# Altium PCB EDA-03518-V3-0_pcb.pcbdoc (part 12 of 14) (continued)
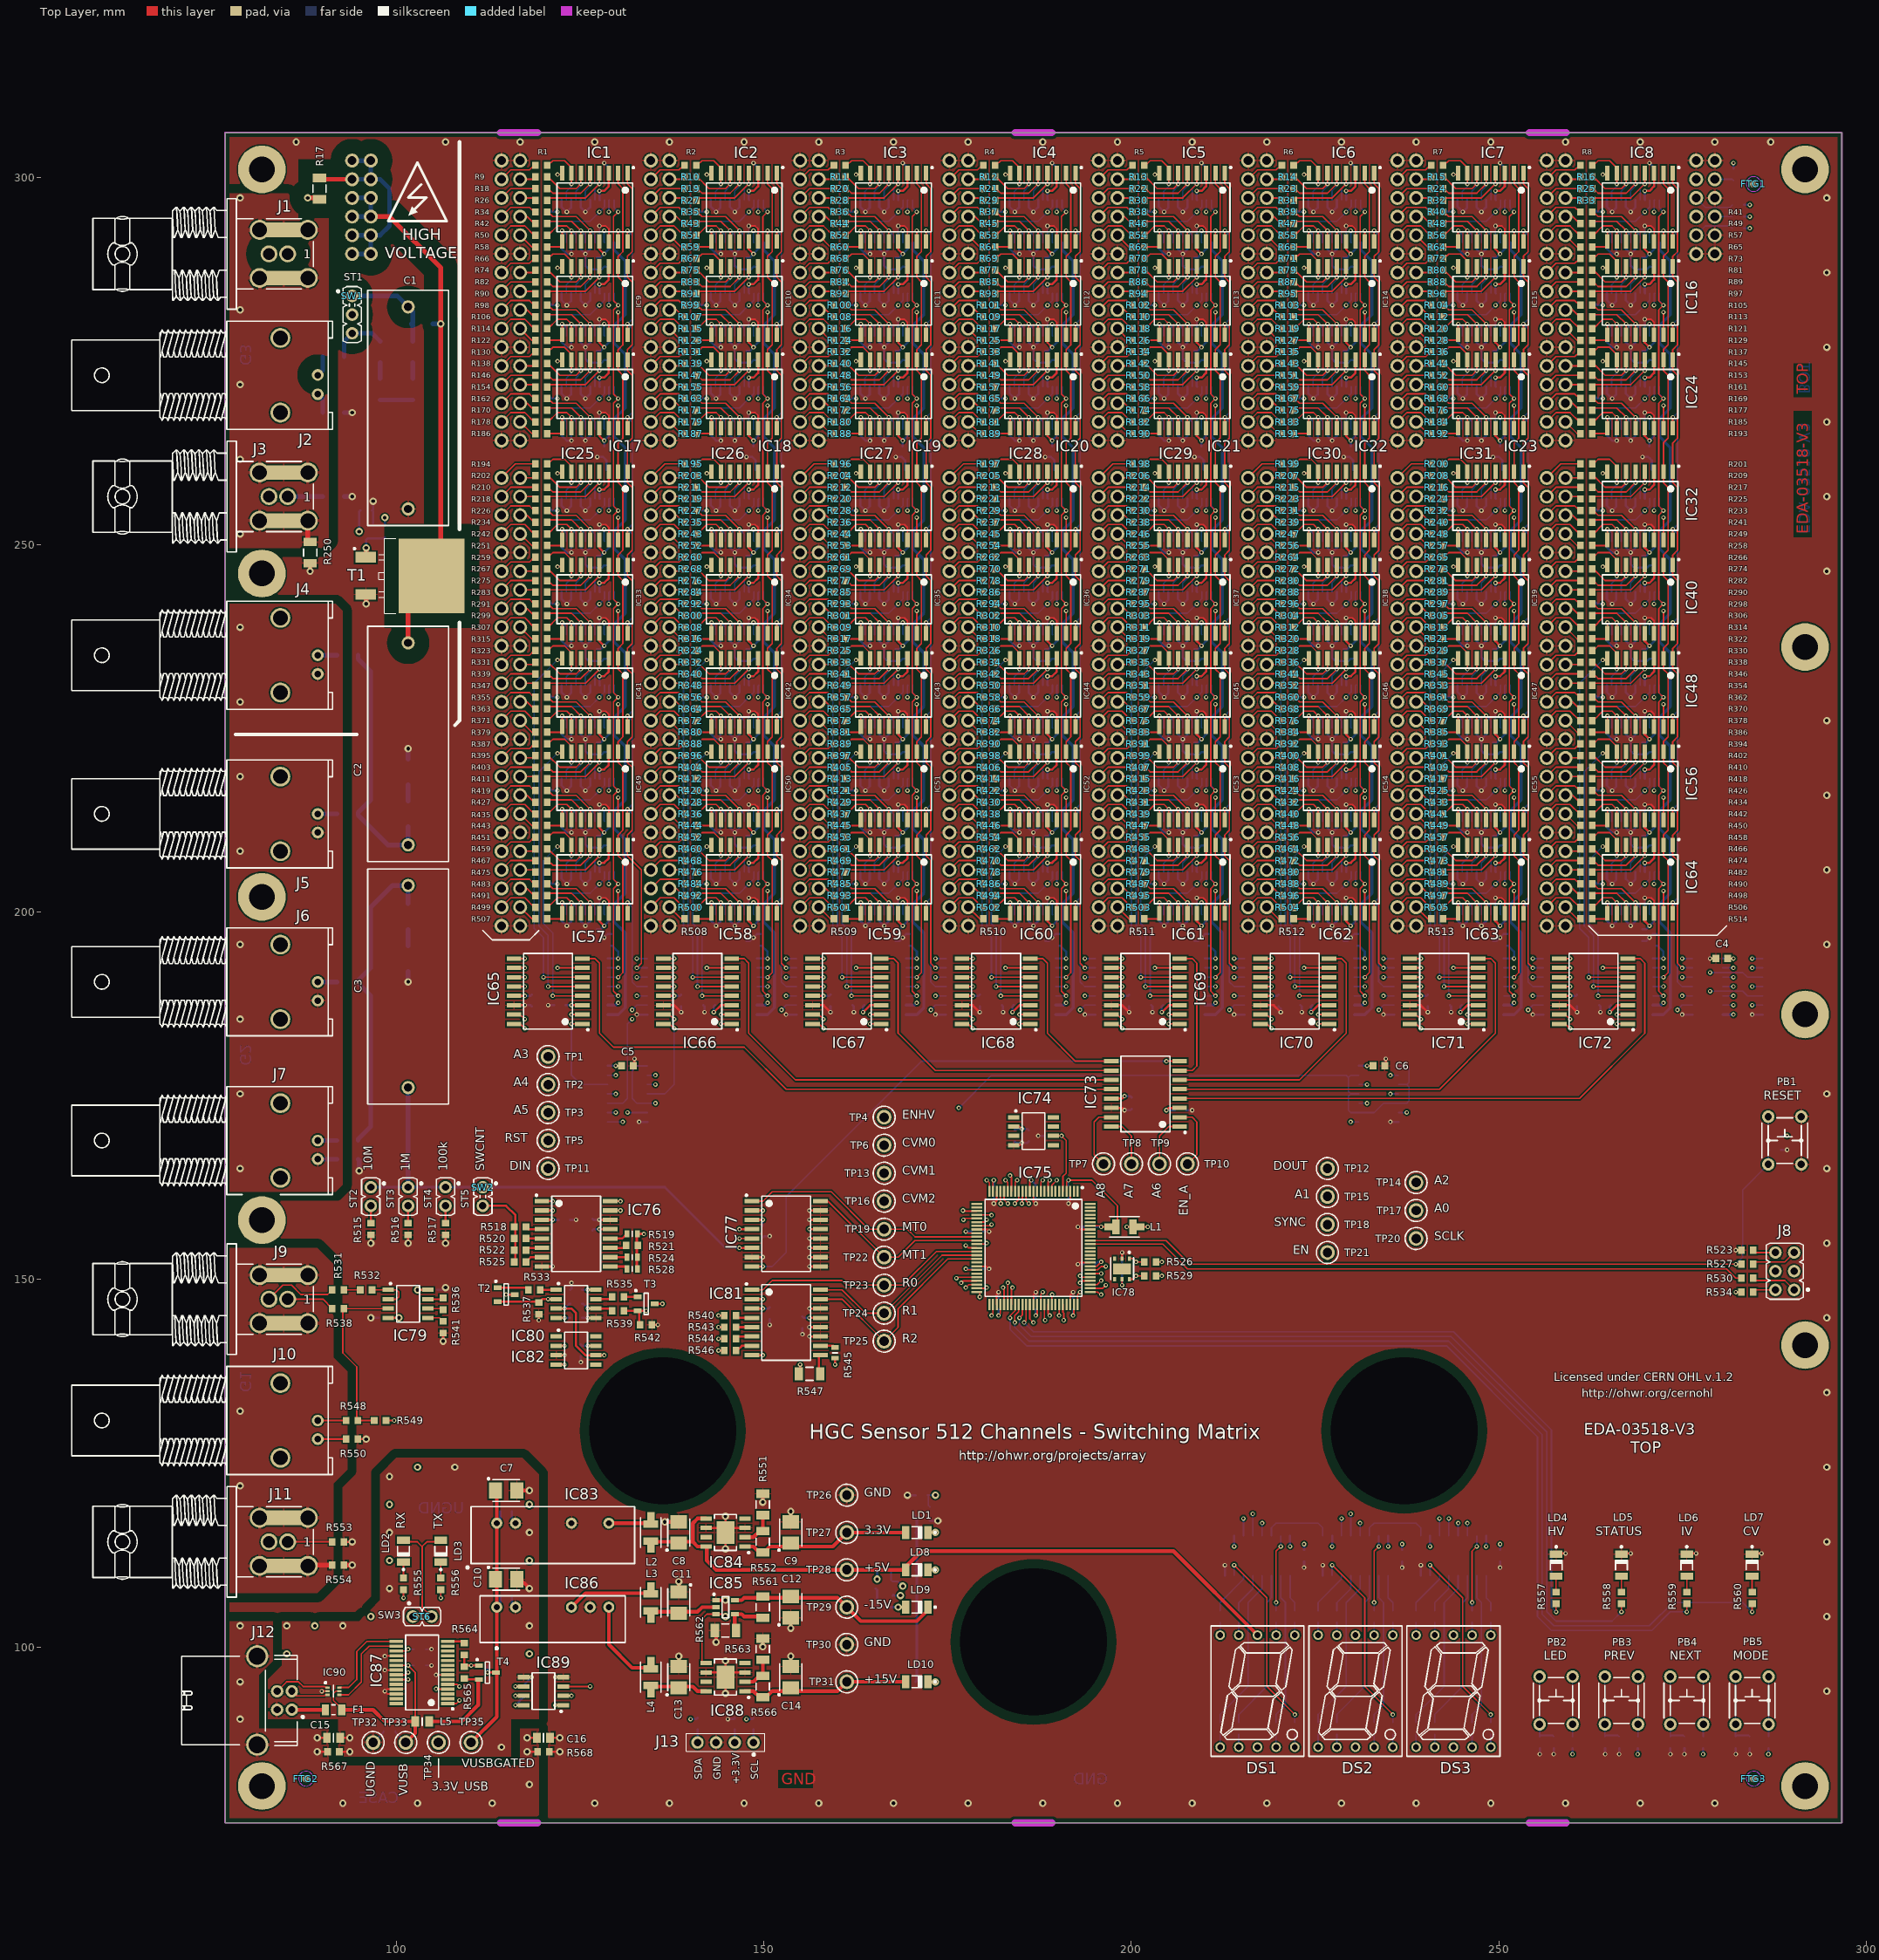
[diagram p0: Top Layer view]
## Nets (pads, with @x,y where several pads share a name; then routed paths per layer and width w, separated by ;. In a path a pad name is that pad's centre, name@x,y a point inside that pad or via, vN(x,y) a via of type N, cw(c..) or ccw(c..) an arc to the next point about the centre after c; other vN are vias at no path point) (continued)
  Top Layer w0.305: v1(126.047,146.05) IC80.6@127.16,146.05 129.057,146.05 R539.1@129.375,145.732
  Bottom Layer w0.305: R653.2@125.26,146.685 125.412,146.685 v1(126.047,146.05)
NetIC80_7: IC80.7 R535.1 | length 2.3
  Top Layer w0.305: IC80.7@127.16,147.32 129.057,147.32 R535.1@129.375,147.637
NetIC81_4: IC81.4 R540.2 | length 2.3
  Top Layer w0.305: R540.2@146.215,145.097 146.533,144.78 IC81.4@148.385,144.78
NetIC81_5: IC81.5 R543.2 | length 2.2
  Top Layer w0.305: R543.2@146.215,143.51 IC81.5@148.385,143.51
NetIC81_6: IC81.6 R544.2 | length 2.3
  Top Layer w0.305: R544.2@146.215,141.922 146.533,142.24 IC81.6@148.385,142.24
NetIC81_7: IC81.7 R546.2 | length 2.4
  Top Layer w0.305: R546.2@146.215,140.335 146.368,140.335 147.002,140.97 IC81.7@148.385,140.97
NetIC81_9: IC81.9 R547.2 | length 2.7
  Top Layer w0.305: R547.2@157.66,137.16 157.48,137.34 157.48,139.495 IC81.9@157.685,139.7
NetIC81_10: IC81.10 R545.2 | length 2.1
  Top Layer w0.305: IC81.10@157.685,140.97 159.47,140.97 R545.2@159.702,140.738
NetIC83_7: IC83.7 L2.1 | length 6.8
  Top Layer w0.508: IC83.7@128.905,116.84 134.5,116.84 L2.1@134.62,116.72 L2.1@134.62,117.77
NetIC84_2: IC84.2 R551.2 R552.1 | length 4.9
  Top Layer w0.508: IC84.2@147.43,114.935 148.59,114.935 149.405,115.75 R552.1@149.86,115.75 R551.2@149.86,117.93
NetIC85_4: IC85.4 R561.2 R562.1 | length 6.3
  Top Layer w0.508: R562.1@146.23,102.235 146.05,102.415 146.05,104.43 IC85.4@146.08,104.46 147,104.46 147.32,104.14 149.68,104.14 R561.2@149.86,103.96
NetIC86_5: IC86.5 L3.1 | length 12.7
  Top Layer w0.508: IC86.5@123.825,105.41 125.73,107.315 134.5,107.315 L3.1@134.62,107.195 L3.1@134.62,108.245
NetIC86_7: IC86.7 L4.1 | length 13.2
  Top Layer w0.508: IC86.7@128.905,105.41 128.905,100.33 132.08,97.155 134.5,97.155 L4.1@134.62,97.035 L4.1@134.62,98.085
NetIC87_1: IC87.1 IC89.7 | length 10.7
  Top Layer w0.203: IC87.1@107.005,92.295 108.17,92.295 v1(108.585,92.71) ; v1(116.205,93.345) IC89.7@117.315,93.345
  L3 w0.203: v1(108.585,92.71) 109.22,93.345 v1(116.205,93.345)
NetIC87_5: IC87.5 IC89.6 | length 10.4
  Top Layer w0.203: IC87.5@107.005,94.895 108.305,94.895 v1(108.585,94.615) ; v1(116.205,94.615) IC89.6@117.315,94.615
  L3 w0.203: v1(108.585,94.615) v1(116.205,94.615)
NetIC87_15: IC87.15 IC90.6 | length 12.6
  Top Layer w0.203: IC90.6@92.23,94.48 93.527,94.48 94.615,95.567 94.615,99.377 95.983,100.745 IC87.15@100.005,100.745
NetIC87_16: IC87.16 IC90.4 | length 12.7
  Top Layer w0.203: IC90.4@92.23,93.48 93.48,93.48 95.25,95.25 95.25,99.06 96.285,100.095 IC87.16@100.005,100.095
NetIC88_2: IC88.2 R563.2 R566.1 | length 4.9
  Top Layer w0.508: IC88.2@147.43,95.25 148.59,95.25 149.405,96.065 R566.1@149.86,96.065 R563.2@149.86,98.245
NetIC90_1: IC90.1 J12.3 | length 7.7
  Top Layer w0.203: J12.3@83.772,93.96 85.062,95.25 86.677,95.25 87.312,94.615 90.17,94.615 90.305,94.48 IC90.1@90.65,94.48
NetIC90_3: IC90.3 J12.2 | length 5.2
  Top Layer w0.203: J12.2@85.773,93.96 86.388,93.345 90.17,93.345 90.305,93.48 IC90.3@90.65,93.48
NetIC91_3: IC91.3 IC99.22 R581.1 | length 21.8
  L6 w0.203: v1(269.875,282.575) 270.51,283.21 270.51,288.29 269.875,288.925 269.875,290.195 270.51,290.83 v1(270.51,292.735)
  Bottom Layer w0.203: R581.1@263.207,281.14 263.373,281.305 268.605,281.305 v1(269.875,282.575) 270.562,283.262 IC99.22@270.562,284.205 ; v1(270.51,292.735) 270.51,291.157 IC91.3@270.562,291.105
NetIC92_3: IC92.3 IC100.22 R582.1 | length 21.8
  L6 w0.203: v1(249.555,282.575) 250.19,283.21 250.19,288.29 249.555,288.925 249.555,290.195 250.19,290.83 v1(250.19,292.735)
  Bottom Layer w0.203: R582.1@242.887,281.14 243.053,281.305 248.285,281.305 v1(249.555,282.575) 250.242,283.262 IC100.22@250.242,284.205 ; v1(250.19,292.735) 250.19,291.157 IC92.3@250.242,291.105
NetIC92_22: IC92.22 IC147.3 R572.1 | length 123.5
  L3 w0.203: v1(249.555,295.275) 250.19,294.64 253.365,294.64 254.635,293.37 254.635,203.2 255.905,201.93 268.923,201.93 269.558,201.295 v1(270.51,201.295)
  Bottom Layer w0.203: R572.1@242.887,293.84 243.053,294.005 248.285,294.005 v1(249.555,295.275) 250.242,295.962 IC92.22@250.242,296.905 ; v1(270.51,201.295) 270.51,199.717 IC147.3@270.562,199.665
NetIC93_3: IC93.3 IC101.22 R583.1 | length 21.8
  L6 w0.203: v1(229.235,282.575) 229.87,283.21 229.87,288.29 229.235,288.925 229.235,290.195 229.87,290.83 v1(229.87,292.735)
  Bottom Layer w0.203: R583.1@222.567,281.14 222.733,281.305 227.965,281.305 v1(229.235,282.575) 229.922,283.262 IC101.22@229.922,284.205 ; v1(229.87,292.735) 229.87,291.157 IC93.3@229.922,291.105
NetIC93_22: IC93.22 IC148.3 R573.1 | length 123.5
  L3 w0.203: v1(229.235,295.275) 229.87,294.64 233.045,294.64 234.315,293.37 234.315,203.2 235.585,201.93 248.602,201.93 249.237,201.295 v1(250.19,201.295)
  Bottom Layer w0.203: R573.1@222.567,293.84 222.733,294.005 227.965,294.005 v1(229.235,295.275) 229.922,295.962 IC93.22@229.922,296.905 ; v1(250.19,201.295) 250.19,199.717 IC148.3@250.242,199.665
NetIC94_3: IC94.3 IC102.22 R584.1 | length 21.8
  L6 w0.203: v1(208.915,282.575) 209.55,283.21 209.55,288.29 208.915,288.925 208.915,290.195 209.55,290.83 v1(209.55,292.735)
  Bottom Layer w0.203: R584.1@202.248,281.14 202.413,281.305 207.645,281.305 v1(208.915,282.575) 209.602,283.262 IC102.22@209.602,284.205 ; v1(209.55,292.735) 209.55,291.157 IC94.3@209.602,291.105
NetIC94_22: IC94.22 IC149.3 R574.1 | length 123.5
  L3 w0.203: v1(208.915,295.275) 209.55,294.64 212.725,294.64 213.995,293.37 213.995,203.2 215.265,201.93 228.282,201.93 228.917,201.295 v1(229.87,201.295)
  Bottom Layer w0.203: R574.1@202.248,293.84 202.413,294.005 207.645,294.005 v1(208.915,295.275) 209.602,295.962 IC94.22@209.602,296.905 ; v1(229.87,201.295) 229.87,199.717 IC149.3@229.922,199.665
NetIC95_3: IC95.3 IC103.22 R585.1 | length 21.8
  L6 w0.203: v1(188.595,282.575) 189.23,283.21 189.23,288.29 188.595,288.925 188.595,290.195 189.23,290.83 v1(189.23,292.735)
  Bottom Layer w0.203: R585.1@181.927,281.14 182.093,281.305 187.325,281.305 v1(188.595,282.575) 189.282,283.262 IC103.22@189.282,284.205 ; v1(189.23,292.735) 189.23,291.157 IC95.3@189.282,291.105
NetIC95_22: IC95.22 IC150.3 R575.1 | length 123.5
  L3 w0.203: v1(188.595,295.275) 189.23,294.64 192.405,294.64 193.675,293.37 193.675,203.2 194.945,201.93 207.963,201.93 208.597,201.295 v1(209.55,201.295)
  Bottom Layer w0.203: R575.1@181.927,293.84 182.093,294.005 187.325,294.005 v1(188.595,295.275) 189.282,295.962 IC95.22@189.282,296.905 ; v1(209.55,201.295) 209.55,199.717 IC150.3@209.602,199.665
NetIC96_3: IC96.3 IC104.22 R586.1 | length 21.8
  L6 w0.203: v1(168.275,282.575) 168.91,283.21 168.91,288.29 168.275,288.925 168.275,290.195 168.91,290.83 v1(168.91,292.735)
  Bottom Layer w0.203: R586.1@161.607,281.14 161.773,281.305 167.005,281.305 v1(168.275,282.575) 168.962,283.262 IC104.22@168.962,284.205 ; v1(168.91,292.735) 168.91,291.157 IC96.3@168.962,291.105
NetIC96_22: IC96.22 IC151.3 R576.1 | length 123.5
  L3 w0.203: v1(168.275,295.275) 168.91,294.64 172.085,294.64 173.355,293.37 173.355,203.2 174.625,201.93 187.642,201.93 188.278,201.295 v1(189.23,201.295)
  Bottom Layer w0.203: R576.1@161.607,293.84 161.773,294.005 167.005,294.005 v1(168.275,295.275) 168.962,295.962 IC96.22@168.962,296.905 ; v1(189.23,201.295) 189.23,199.717 IC151.3@189.282,199.665
NetIC97_3: IC97.3 IC105.22 R587.1 | length 21.8
  L6 w0.203: v1(147.955,282.575) 148.59,283.21 148.59,288.29 147.955,288.925 147.955,290.195 148.59,290.83 v1(148.59,292.735)
  Bottom Layer w0.203: R587.1@141.287,281.14 141.453,281.305 146.685,281.305 v1(147.955,282.575) 148.642,283.262 IC105.22@148.642,284.205 ; v1(148.59,292.735) 148.59,291.157 IC97.3@148.642,291.105
NetIC97_22: IC97.22 IC152.3 R577.1 | length 123.5
  L3 w0.203: v1(147.955,295.275) 148.59,294.64 151.765,294.64 153.035,293.37 153.035,203.2 154.305,201.93 167.322,201.93 167.957,201.295 v1(168.91,201.295)
  Bottom Layer w0.203: R577.1@141.287,293.84 141.453,294.005 146.685,294.005 v1(147.955,295.275) 148.642,295.962 IC97.22@148.642,296.905 ; v1(168.91,201.295) 168.91,199.717 IC152.3@168.962,199.665
NetIC98_3: IC98.3 IC106.22 R588.1 | length 21.8
  L6 w0.203: v1(127.635,282.575) 128.27,283.21 128.27,288.29 127.635,288.925 127.635,290.195 128.27,290.83 v1(128.27,292.735)
  Bottom Layer w0.203: R588.1@120.968,281.14 121.133,281.305 126.365,281.305 v1(127.635,282.575) 128.322,283.262 IC106.22@128.322,284.205 ; v1(128.27,292.735) 128.27,291.157 IC98.3@128.322,291.105
NetIC98_22: IC98.22 IC153.3 R578.1 | length 123.5
  L3 w0.203: v1(127.635,295.275) 128.27,294.64 131.445,294.64 132.715,293.37 132.715,203.2 133.985,201.93 147.002,201.93 147.637,201.295 v1(148.59,201.295)
  Bottom Layer w0.203: R578.1@120.968,293.84 121.133,294.005 126.365,294.005 v1(127.635,295.275) 128.322,295.962 IC98.22@128.322,296.905 ; v1(148.59,201.295) 148.59,199.717 IC153.3@148.642,199.665
NetIC99_3: IC99.3 IC107.22 R595.1 | length 21.8
  L6 w0.203: v1(269.875,269.875) 270.51,270.51 270.51,275.59 269.875,276.225 269.875,277.495 270.51,278.13 v1(270.51,280.035)
  Bottom Layer w0.203: R595.1@263.207,268.44 263.373,268.605 268.605,268.605 v1(269.875,269.875) 270.562,270.562 IC107.22@270.562,271.505 ; v1(270.51,280.035) 270.51,278.457 IC99.3@270.562,278.405
NetIC100_3: IC100.3 IC108.22 R596.1 | length 21.8
  L6 w0.203: v1(249.555,269.875) 250.19,270.51 250.19,275.59 249.555,276.225 249.555,277.495 250.19,278.13 v1(250.19,280.035)
  Bottom Layer w0.203: R596.1@242.887,268.44 243.053,268.605 248.285,268.605 v1(249.555,269.875) 250.242,270.562 IC108.22@250.242,271.505 ; v1(250.19,280.035) 250.19,278.457 IC100.3@250.242,278.405
NetIC101_3: IC101.3 IC109.22 R597.1 | length 21.8
  L6 w0.203: v1(229.235,269.875) 229.87,270.51 229.87,275.59 229.235,276.225 229.235,277.495 229.87,278.13 v1(229.87,280.035)
  Bottom Layer w0.203: R597.1@222.567,268.44 222.733,268.605 227.965,268.605 v1(229.235,269.875) 229.922,270.562 IC109.22@229.922,271.505 ; v1(229.87,280.035) 229.87,278.457 IC101.3@229.922,278.405
NetIC102_3: IC102.3 IC110.22 R598.1 | length 21.8
  L6 w0.203: v1(208.915,269.875) 209.55,270.51 209.55,275.59 208.915,276.225 208.915,277.495 209.55,278.13 v1(209.55,280.035)
  Bottom Layer w0.203: R598.1@202.248,268.44 202.413,268.605 207.645,268.605 v1(208.915,269.875) 209.602,270.562 IC110.22@209.602,271.505 ; v1(209.55,280.035) 209.55,278.457 IC102.3@209.602,278.405
NetIC103_3: IC103.3 IC111.22 R599.1 | length 21.8
  L6 w0.203: v1(188.595,269.875) 189.23,270.51 189.23,275.59 188.595,276.225 188.595,277.495 189.23,278.13 v1(189.23,280.035)
  Bottom Layer w0.203: R599.1@181.927,268.44 182.093,268.605 187.325,268.605 v1(188.595,269.875) 189.282,270.562 IC111.22@189.282,271.505 ; v1(189.23,280.035) 189.23,278.457 IC103.3@189.282,278.405
NetIC104_3: IC104.3 IC112.22 R600.1 | length 21.8
  L6 w0.203: v1(168.275,269.875) 168.91,270.51 168.91,275.59 168.275,276.225 168.275,277.495 168.91,278.13 v1(168.91,280.035)
  Bottom Layer w0.203: R600.1@161.607,268.44 161.773,268.605 167.005,268.605 v1(168.275,269.875) 168.962,270.562 IC112.22@168.962,271.505 ; v1(168.91,280.035) 168.91,278.457 IC104.3@168.962,278.405
NetIC105_3: IC105.3 IC113.22 R601.1 | length 21.8
  L6 w0.203: v1(147.955,269.875) 148.59,270.51 148.59,275.59 147.955,276.225 147.955,277.495 148.59,278.13 v1(148.59,280.035)
  Bottom Layer w0.203: R601.1@141.287,268.44 141.453,268.605 146.685,268.605 v1(147.955,269.875) 148.642,270.562 IC113.22@148.642,271.505 ; v1(148.59,280.035) 148.59,278.457 IC105.3@148.642,278.405
NetIC106_3: IC106.3 IC114.22 R602.1 | length 21.8
  L6 w0.203: v1(127.635,269.875) 128.27,270.51 128.27,275.59 127.635,276.225 127.635,277.495 128.27,278.13 v1(128.27,280.035)
  Bottom Layer w0.203: R602.1@120.968,268.44 121.133,268.605 126.365,268.605 v1(127.635,269.875) 128.322,270.562 IC114.22@128.322,271.505 ; v1(128.27,280.035) 128.27,278.457 IC106.3@128.322,278.405
NetIC107_3: IC107.3 IC115.22 R605.1 | length 24.3
  L6 w0.203: v1(269.875,254.635) 270.51,255.27 270.51,262.89 269.875,263.525 269.875,264.795 270.51,265.43 v1(270.51,267.335)
  Bottom Layer w0.203: R605.1@263.207,253.2 263.373,253.365 268.605,253.365 v1(269.875,254.635) 270.562,255.322 IC115.22@270.562,256.265 ; v1(270.51,267.335) 270.51,265.757 IC107.3@270.562,265.705
NetIC108_3: IC108.3 IC116.22 R606.1 | length 24.3
  L6 w0.203: v1(249.555,254.635) 250.19,255.27 250.19,262.89 249.555,263.525 249.555,264.795 250.19,265.43 v1(250.19,267.335)
  Bottom Layer w0.203: R606.1@242.887,253.2 243.053,253.365 248.285,253.365 v1(249.555,254.635) 250.242,255.322 IC116.22@250.242,256.265 ; v1(250.19,267.335) 250.19,265.757 IC108.3@250.242,265.705
NetIC109_3: IC109.3 IC117.22 R607.1 | length 24.3
  L6 w0.203: v1(229.235,254.635) 229.87,255.27 229.87,262.89 229.235,263.525 229.235,264.795 229.87,265.43 v1(229.87,267.335)
  Bottom Layer w0.203: R607.1@222.567,253.2 222.733,253.365 227.965,253.365 v1(229.235,254.635) 229.922,255.322 IC117.22@229.922,256.265 ; v1(229.87,267.335) 229.87,265.757 IC109.3@229.922,265.705
NetIC110_3: IC110.3 IC118.22 R608.1 | length 24.3
  L6 w0.203: v1(208.915,254.635) 209.55,255.27 209.55,262.89 208.915,263.525 208.915,264.795 209.55,265.43 v1(209.55,267.335)
  Bottom Layer w0.203: R608.1@202.248,253.2 202.413,253.365 207.645,253.365 v1(208.915,254.635) 209.602,255.322 IC118.22@209.602,256.265 ; v1(209.55,267.335) 209.55,265.757 IC110.3@209.602,265.705
NetIC111_3: IC111.3 IC119.22 R609.1 | length 24.3
  L6 w0.203: v1(188.595,254.635) 189.23,255.27 189.23,262.89 188.595,263.525 188.595,264.795 189.23,265.43 v1(189.23,267.335)
  Bottom Layer w0.203: R609.1@181.927,253.2 182.093,253.365 187.325,253.365 v1(188.595,254.635) 189.282,255.322 IC119.22@189.282,256.265 ; v1(189.23,267.335) 189.23,265.757 IC111.3@189.282,265.705
NetIC112_3: IC112.3 IC120.22 R610.1 | length 24.3
  L6 w0.203: v1(168.275,254.635) 168.91,255.27 168.91,262.89 168.275,263.525 168.275,264.795 168.91,265.43 v1(168.91,267.335)
  Bottom Layer w0.203: R610.1@161.607,253.2 161.773,253.365 167.005,253.365 v1(168.275,254.635) 168.962,255.322 IC120.22@168.962,256.265 ; v1(168.91,267.335) 168.91,265.757 IC112.3@168.962,265.705
NetIC113_3: IC113.3 IC121.22 R611.1 | length 24.3
  L6 w0.203: v1(147.955,254.635) 148.59,255.27 148.59,262.89 147.955,263.525 147.955,264.795 148.59,265.43 v1(148.59,267.335)
  Bottom Layer w0.203: R611.1@141.287,253.2 141.453,253.365 146.685,253.365 v1(147.955,254.635) 148.642,255.322 IC121.22@148.642,256.265 ; v1(148.59,267.335) 148.59,265.757 IC113.3@148.642,265.705
NetIC114_3: IC114.3 IC122.22 R612.1 | length 24.3
  L6 w0.203: v1(127.635,254.635) 128.27,255.27 128.27,262.89 127.635,263.525 127.635,264.795 128.27,265.43 v1(128.27,267.335)
  Bottom Layer w0.203: R612.1@120.968,253.2 121.133,253.365 126.365,253.365 v1(127.635,254.635) 128.322,255.322 IC122.22@128.322,256.265 ; v1(128.27,267.335) 128.27,265.757 IC114.3@128.322,265.705
NetIC115_3: IC115.3 IC123.22 R615.1 | length 21.8
  L6 w0.203: v1(269.875,241.935) 270.51,242.57 270.51,247.65 269.875,248.285 269.875,249.555 270.51,250.19 v1(270.51,252.095)
  Bottom Layer w0.203: R615.1@263.207,240.5 263.373,240.665 268.605,240.665 v1(269.875,241.935) 270.562,242.622 IC123.22@270.562,243.565 ; v1(270.51,252.095) 270.51,250.517 IC115.3@270.562,250.465
NetIC116_3: IC116.3 IC124.22 R616.1 | length 21.8
  L6 w0.203: v1(249.555,241.935) 250.19,242.57 250.19,247.65 249.555,248.285 249.555,249.555 250.19,250.19 v1(250.19,252.095)
  Bottom Layer w0.203: R616.1@242.887,240.5 243.053,240.665 248.285,240.665 v1(249.555,241.935) 250.242,242.622 IC124.22@250.242,243.565 ; v1(250.19,252.095) 250.19,250.517 IC116.3@250.242,250.465
NetIC117_3: IC117.3 IC125.22 R617.1 | length 21.8
  L6 w0.203: v1(229.235,241.935) 229.87,242.57 229.87,247.65 229.235,248.285 229.235,249.555 229.87,250.19 v1(229.87,252.095)
  Bottom Layer w0.203: R617.1@222.567,240.5 222.733,240.665 227.965,240.665 v1(229.235,241.935) 229.922,242.622 IC125.22@229.922,243.565 ; v1(229.87,252.095) 229.87,250.517 IC117.3@229.922,250.465
NetIC118_3: IC118.3 IC126.22 R618.1 | length 21.8
  L6 w0.203: v1(208.915,241.935) 209.55,242.57 209.55,247.65 208.915,248.285 208.915,249.555 209.55,250.19 v1(209.55,252.095)
  Bottom Layer w0.203: R618.1@202.248,240.5 202.413,240.665 207.645,240.665 v1(208.915,241.935) 209.602,242.622 IC126.22@209.602,243.565 ; v1(209.55,252.095) 209.55,250.517 IC118.3@209.602,250.465
NetIC119_3: IC119.3 IC127.22 R619.1 | length 21.8
  L6 w0.203: v1(188.595,241.935) 189.23,242.57 189.23,247.65 188.595,248.285 188.595,249.555 189.23,250.19 v1(189.23,252.095)
  Bottom Layer w0.203: R619.1@181.927,240.5 182.093,240.665 187.325,240.665 v1(188.595,241.935) 189.282,242.622 IC127.22@189.282,243.565 ; v1(189.23,252.095) 189.23,250.517 IC119.3@189.282,250.465
NetIC120_3: IC120.3 IC128.22 R620.1 | length 21.8
  L6 w0.203: v1(168.275,241.935) 168.91,242.57 168.91,247.65 168.275,248.285 168.275,249.555 168.91,250.19 v1(168.91,252.095)
  Bottom Layer w0.203: R620.1@161.607,240.5 161.773,240.665 167.005,240.665 v1(168.275,241.935) 168.962,242.622 IC128.22@168.962,243.565 ; v1(168.91,252.095) 168.91,250.517 IC120.3@168.962,250.465
NetIC121_3: IC121.3 IC129.22 R621.1 | length 21.8
  L6 w0.203: v1(147.955,241.935) 148.59,242.57 148.59,247.65 147.955,248.285 147.955,249.555 148.59,250.19 v1(148.59,252.095)
  Bottom Layer w0.203: R621.1@141.287,240.5 141.453,240.665 146.685,240.665 v1(147.955,241.935) 148.642,242.622 IC129.22@148.642,243.565 ; v1(148.59,252.095) 148.59,250.517 IC121.3@148.642,250.465
NetIC122_3: IC122.3 IC130.22 R622.1 | length 21.8
  L6 w0.203: v1(127.635,241.935) 128.27,242.57 128.27,247.65 127.635,248.285 127.635,249.555 128.27,250.19 v1(128.27,252.095)
  Bottom Layer w0.203: R622.1@120.968,240.5 121.133,240.665 126.365,240.665 v1(127.635,241.935) 128.322,242.622 IC130.22@128.322,243.565 ; v1(128.27,252.095) 128.27,250.517 IC122.3@128.322,250.465
NetIC123_3: IC123.3 IC131.22 R624.1 | length 21.8
  L6 w0.203: v1(269.875,229.235) 270.51,229.87 270.51,234.95 269.875,235.585 269.875,236.855 270.51,237.49 v1(270.51,239.395)
  Bottom Layer w0.203: R624.1@263.207,227.8 263.373,227.965 268.605,227.965 v1(269.875,229.235) 270.562,229.922 IC131.22@270.562,230.865 ; v1(270.51,239.395) 270.51,237.817 IC123.3@270.562,237.765
NetIC124_3: IC124.3 IC132.22 R625.1 | length 21.8
  L6 w0.203: v1(249.555,229.235) 250.19,229.87 250.19,234.95 249.555,235.585 249.555,236.855 250.19,237.49 v1(250.19,239.395)
  Bottom Layer w0.203: R625.1@242.887,227.8 243.053,227.965 248.285,227.965 v1(249.555,229.235) 250.242,229.922 IC132.22@250.242,230.865 ; v1(250.19,239.395) 250.19,237.817 IC124.3@250.242,237.765
NetIC125_3: IC125.3 IC133.22 R626.1 | length 21.8
  L6 w0.203: v1(229.235,229.235) 229.87,229.87 229.87,234.95 229.235,235.585 229.235,236.855 229.87,237.49 v1(229.87,239.395)
  Bottom Layer w0.203: R626.1@222.567,227.8 222.733,227.965 227.965,227.965 v1(229.235,229.235) 229.922,229.922 IC133.22@229.922,230.865 ; v1(229.87,239.395) 229.87,237.817 IC125.3@229.922,237.765
NetIC126_3: IC126.3 IC134.22 R627.1 | length 21.8
  L6 w0.203: v1(208.915,229.235) 209.55,229.87 209.55,234.95 208.915,235.585 208.915,236.855 209.55,237.49 v1(209.55,239.395)
  Bottom Layer w0.203: R627.1@202.248,227.8 202.413,227.965 207.645,227.965 v1(208.915,229.235) 209.602,229.922 IC134.22@209.602,230.865 ; v1(209.55,239.395) 209.55,237.817 IC126.3@209.602,237.765
NetIC127_3: IC127.3 IC135.22 R628.1 | length 21.8
  L6 w0.203: v1(188.595,229.235) 189.23,229.87 189.23,234.95 188.595,235.585 188.595,236.855 189.23,237.49 v1(189.23,239.395)
  Bottom Layer w0.203: R628.1@181.927,227.8 182.093,227.965 187.325,227.965 v1(188.595,229.235) 189.282,229.922 IC135.22@189.282,230.865 ; v1(189.23,239.395) 189.23,237.817 IC127.3@189.282,237.765
NetIC128_3: IC128.3 IC136.22 R629.1 | length 21.8
  L6 w0.203: v1(168.275,229.235) 168.91,229.87 168.91,234.95 168.275,235.585 168.275,236.855 168.91,237.49 v1(168.91,239.395)
  Bottom Layer w0.203: R629.1@161.607,227.8 161.773,227.965 167.005,227.965 v1(168.275,229.235) 168.962,229.922 IC136.22@168.962,230.865 ; v1(168.91,239.395) 168.91,237.817 IC128.3@168.962,237.765
NetIC129_3: IC129.3 IC137.22 R630.1 | length 21.8
  L6 w0.203: v1(147.955,229.235) 148.59,229.87 148.59,234.95 147.955,235.585 147.955,236.855 148.59,237.49 v1(148.59,239.395)
  Bottom Layer w0.203: R630.1@141.287,227.8 141.453,227.965 146.685,227.965 v1(147.955,229.235) 148.642,229.922 IC137.22@148.642,230.865 ; v1(148.59,239.395) 148.59,237.817 IC129.3@148.642,237.765
NetIC130_3: IC130.3 IC138.22 R631.1 | length 21.8
  L6 w0.203: v1(127.635,229.235) 128.27,229.87 128.27,234.95 127.635,235.585 127.635,236.855 128.27,237.49 v1(128.27,239.395)
  Bottom Layer w0.203: R631.1@120.968,227.8 121.133,227.965 126.365,227.965 v1(127.635,229.235) 128.322,229.922 IC138.22@128.322,230.865 ; v1(128.27,239.395) 128.27,237.817 IC130.3@128.322,237.765
NetIC131_3: IC131.3 IC139.22 R632.1 | length 21.8
  L6 w0.203: v1(269.875,216.535) 270.51,217.17 270.51,222.25 269.875,222.885 269.875,224.155 270.51,224.79 v1(270.51,226.695)
  Bottom Layer w0.203: R632.1@263.207,215.1 263.373,215.265 268.605,215.265 v1(269.875,216.535) 270.562,217.222 IC139.22@270.562,218.165 ; v1(270.51,226.695) 270.51,225.117 IC131.3@270.562,225.065
NetIC132_3: IC132.3 IC140.22 R633.1 | length 21.8
  L6 w0.203: v1(249.555,216.535) 250.19,217.17 250.19,222.25 249.555,222.885 249.555,224.155 250.19,224.79 v1(250.19,226.695)
  Bottom Layer w0.203: R633.1@242.887,215.1 243.053,215.265 248.285,215.265 v1(249.555,216.535) 250.242,217.222 IC140.22@250.242,218.165 ; v1(250.19,226.695) 250.19,225.117 IC132.3@250.242,225.065
NetIC133_3: IC133.3 IC141.22 R634.1 | length 21.8
  L6 w0.203: v1(229.235,216.535) 229.87,217.17 229.87,222.25 229.235,222.885 229.235,224.155 229.87,224.79 v1(229.87,226.695)
  Bottom Layer w0.203: R634.1@222.567,215.1 222.733,215.265 227.965,215.265 v1(229.235,216.535) 229.922,217.222 IC141.22@229.922,218.165 ; v1(229.87,226.695) 229.87,225.117 IC133.3@229.922,225.065
NetIC134_3: IC134.3 IC142.22 R635.1 | length 21.8
  L6 w0.203: v1(208.915,216.535) 209.55,217.17 209.55,222.25 208.915,222.885 208.915,224.155 209.55,224.79 v1(209.55,226.695)
  Bottom Layer w0.203: R635.1@202.248,215.1 202.413,215.265 207.645,215.265 v1(208.915,216.535) 209.602,217.222 IC142.22@209.602,218.165 ; v1(209.55,226.695) 209.55,225.117 IC134.3@209.602,225.065
NetIC135_3: IC135.3 IC143.22 R636.1 | length 21.8
  L6 w0.203: v1(188.595,216.535) 189.23,217.17 189.23,222.25 188.595,222.885 188.595,224.155 189.23,224.79 v1(189.23,226.695)
  Bottom Layer w0.203: R636.1@181.927,215.1 182.093,215.265 187.325,215.265 v1(188.595,216.535) 189.282,217.222 IC143.22@189.282,218.165 ; v1(189.23,226.695) 189.23,225.117 IC135.3@189.282,225.065
NetIC136_3: IC136.3 IC144.22 R637.1 | length 21.8
  L6 w0.203: v1(168.275,216.535) 168.91,217.17 168.91,222.25 168.275,222.885 168.275,224.155 168.91,224.79 v1(168.91,226.695)
  Bottom Layer w0.203: R637.1@161.607,215.1 161.773,215.265 167.005,215.265 v1(168.275,216.535) 168.962,217.222 IC144.22@168.962,218.165 ; v1(168.91,226.695) 168.91,225.117 IC136.3@168.962,225.065
NetIC137_3: IC137.3 IC145.22 R638.1 | length 21.8
  L6 w0.203: v1(147.955,216.535) 148.59,217.17 148.59,222.25 147.955,222.885 147.955,224.155 148.59,224.79 v1(148.59,226.695)
  Bottom Layer w0.203: R638.1@141.287,215.1 141.453,215.265 146.685,215.265 v1(147.955,216.535) 148.642,217.222 IC145.22@148.642,218.165 ; v1(148.59,226.695) 148.59,225.117 IC137.3@148.642,225.065
NetIC138_3: IC138.3 IC146.22 R639.1 | length 21.8
  L6 w0.203: v1(127.635,216.535) 128.27,217.17 128.27,222.25 127.635,222.885 127.635,224.155 128.27,224.79 v1(128.27,226.695)
  Bottom Layer w0.203: R639.1@120.968,215.1 121.133,215.265 126.365,215.265 v1(127.635,216.535) 128.322,217.222 IC146.22@128.322,218.165 ; v1(128.27,226.695) 128.27,225.117 IC138.3@128.322,225.065
NetIC139_3: IC139.3 IC147.22 R641.1 | length 21.8
  L6 w0.203: v1(269.875,203.835) 270.51,204.47 270.51,209.55 269.875,210.185 269.875,211.455 270.51,212.09 v1(270.51,213.995)
  Bottom Layer w0.203: R641.1@263.207,202.4 263.373,202.565 268.605,202.565 v1(269.875,203.835) 270.562,204.522 IC147.22@270.562,205.465 ; v1(270.51,213.995) 270.51,212.417 IC139.3@270.562,212.365
NetIC140_3: IC140.3 IC148.22 R642.1 | length 21.8
  L6 w0.203: v1(249.555,203.835) 250.19,204.47 250.19,209.55 249.555,210.185 249.555,211.455 250.19,212.09 v1(250.19,213.995)
  Bottom Layer w0.203: R642.1@242.887,202.4 243.053,202.565 248.285,202.565 v1(249.555,203.835) 250.242,204.522 IC148.22@250.242,205.465 ; v1(250.19,213.995) 250.19,212.417 IC140.3@250.242,212.365
NetIC141_3: IC141.3 IC149.22 R643.1 | length 21.8
  L6 w0.203: v1(229.235,203.835) 229.87,204.47 229.87,209.55 229.235,210.185 229.235,211.455 229.87,212.09 v1(229.87,213.995)
  Bottom Layer w0.203: R643.1@222.567,202.4 222.733,202.565 227.965,202.565 v1(229.235,203.835) 229.922,204.522 IC149.22@229.922,205.465 ; v1(229.87,213.995) 229.87,212.417 IC141.3@229.922,212.365
NetIC142_3: IC142.3 IC150.22 R644.1 | length 21.8
  L6 w0.203: v1(208.915,203.835) 209.55,204.47 209.55,209.55 208.915,210.185 208.915,211.455 209.55,212.09 v1(209.55,213.995)
  Bottom Layer w0.203: R644.1@202.248,202.4 202.413,202.565 207.645,202.565 v1(208.915,203.835) 209.602,204.522 IC150.22@209.602,205.465 ; v1(209.55,213.995) 209.55,212.417 IC142.3@209.602,212.365
NetIC143_3: IC143.3 IC151.22 R645.1 | length 21.8
  L6 w0.203: v1(188.595,203.835) 189.23,204.47 189.23,209.55 188.595,210.185 188.595,211.455 189.23,212.09 v1(189.23,213.995)
  Bottom Layer w0.203: R645.1@181.927,202.4 182.093,202.565 187.325,202.565 v1(188.595,203.835) 189.282,204.522 IC151.22@189.282,205.465 ; v1(189.23,213.995) 189.23,212.417 IC143.3@189.282,212.365
NetIC144_3: IC144.3 IC152.22 R646.1 | length 21.8
  L6 w0.203: v1(168.275,203.835) 168.91,204.47 168.91,209.55 168.275,210.185 168.275,211.455 168.91,212.09 v1(168.91,213.995)
  Bottom Layer w0.203: R646.1@161.607,202.4 161.773,202.565 167.005,202.565 v1(168.275,203.835) 168.962,204.522 IC152.22@168.962,205.465 ; v1(168.91,213.995) 168.91,212.417 IC144.3@168.962,212.365
NetIC145_3: IC145.3 IC153.22 R647.1 | length 21.8
  L6 w0.203: v1(147.955,203.835) 148.59,204.47 148.59,209.55 147.955,210.185 147.955,211.455 148.59,212.09 v1(148.59,213.995)
  Bottom Layer w0.203: R647.1@141.287,202.4 141.453,202.565 146.685,202.565 v1(147.955,203.835) 148.642,204.522 IC153.22@148.642,205.465 ; v1(148.59,213.995) 148.59,212.417 IC145.3@148.642,212.365
NetIC146_3: IC146.3 IC154.22 R648.1 | length 21.8
  L6 w0.203: v1(127.635,203.835) 128.27,204.47 128.27,209.55 127.635,210.185 127.635,211.455 128.27,212.09 v1(128.27,213.995)
  Bottom Layer w0.203: R648.1@120.968,202.4 121.133,202.565 126.365,202.565 v1(127.635,203.835) 128.322,204.522 IC154.22@128.322,205.465 ; v1(128.27,213.995) 128.27,212.417 IC146.3@128.322,212.365
NetIC154_3: IC154.3 IC165.8 | length 34.6
  L6 w0.203: v1(128.27,201.295) 130.81,198.755 v1(130.81,171.45)
  Bottom Layer w0.203: v1(128.27,201.295) 128.27,199.717 IC154.3@128.322,199.665 ; IC165.8@128.745,171.45 v1(130.81,171.45)
NetIC166_1: IC166.1 R659.1 | length 5
  Bottom Layer w0.203: IC166.1@248.285,109.695 248.285,106.68 248.92,106.045 R659.1@248.92,104.94
NetIC166_2: IC166.2 R675.1 | length 20.8
  Bottom Layer w0.203: R675.1@246.38,89.7 246.38,90.805 247.65,92.075 247.65,106.045 247.015,106.68 IC166.2@247.015,109.695
NetIC166_3: IC166.3 R676.1 | length 21.8
  Bottom Layer w0.203: R676.1@241.3,89.7 241.3,90.805 245.11,94.615 245.11,106.045 245.745,106.68 IC166.3@245.745,109.695
NetIC166_4: IC166.4 R677.1 | length 22.4
  Bottom Layer w0.203: R677.1@238.76,89.7 238.76,90.805 242.57,94.615 242.57,106.045 244.475,107.95 IC166.4@244.475,109.695
NetIC166_5: IC166.5 R661.1 | length 5.5
  Bottom Layer w0.203: R661.1@241.3,104.94 241.3,106.045 243.205,107.95 IC166.5@243.205,109.695
NetIC166_6: IC166.6 R662.1 | length 6.1
  Bottom Layer w0.203: R662.1@238.76,104.94 238.76,106.045 241.935,109.22 IC166.6@241.935,109.695
NetIC166_7: IC166.7 R674.1 | length 26.3
  Top Layer w0.203: v1(240.665,111.125) 245.11,106.68 245.11,94.615 v1(248.92,90.805)
  Bottom Layer w0.203: IC166.7@240.665,109.695 v1(240.665,111.125) ; R674.1@248.92,89.7 v1(248.92,90.805)
NetIC166_9: IC166.9 IC167.14 | length 9.7
  Bottom Layer w0.203: IC167.14@232.41,115.095 232.41,116.205 233.045,116.84 238.76,116.84 239.395,116.205 IC166.9@239.395,115.095
NetIC166_15: IC166.15 R660.1 | length 10.4
  Top Layer w0.203: v1(246.38,106.045) 246.38,113.03 v1(247.015,113.665)
  Bottom Layer w0.203: R660.1@246.38,104.94 v1(246.38,106.045) ; v1(247.015,113.665) IC166.15@247.015,115.095
NetIC167_1: IC167.1 R663.1 | length 5
  Bottom Layer w0.203: IC167.1@234.95,109.695 234.95,106.68 235.585,106.045 R663.1@235.585,104.94
NetIC167_2: IC167.2 R679.1 | length 20.8
  Bottom Layer w0.203: R679.1@233.045,89.7 233.045,90.805 234.315,92.075 234.315,106.045 233.68,106.68 IC167.2@233.68,109.695